# KiCad board k410t-devboard.kicad_pcb (continued)
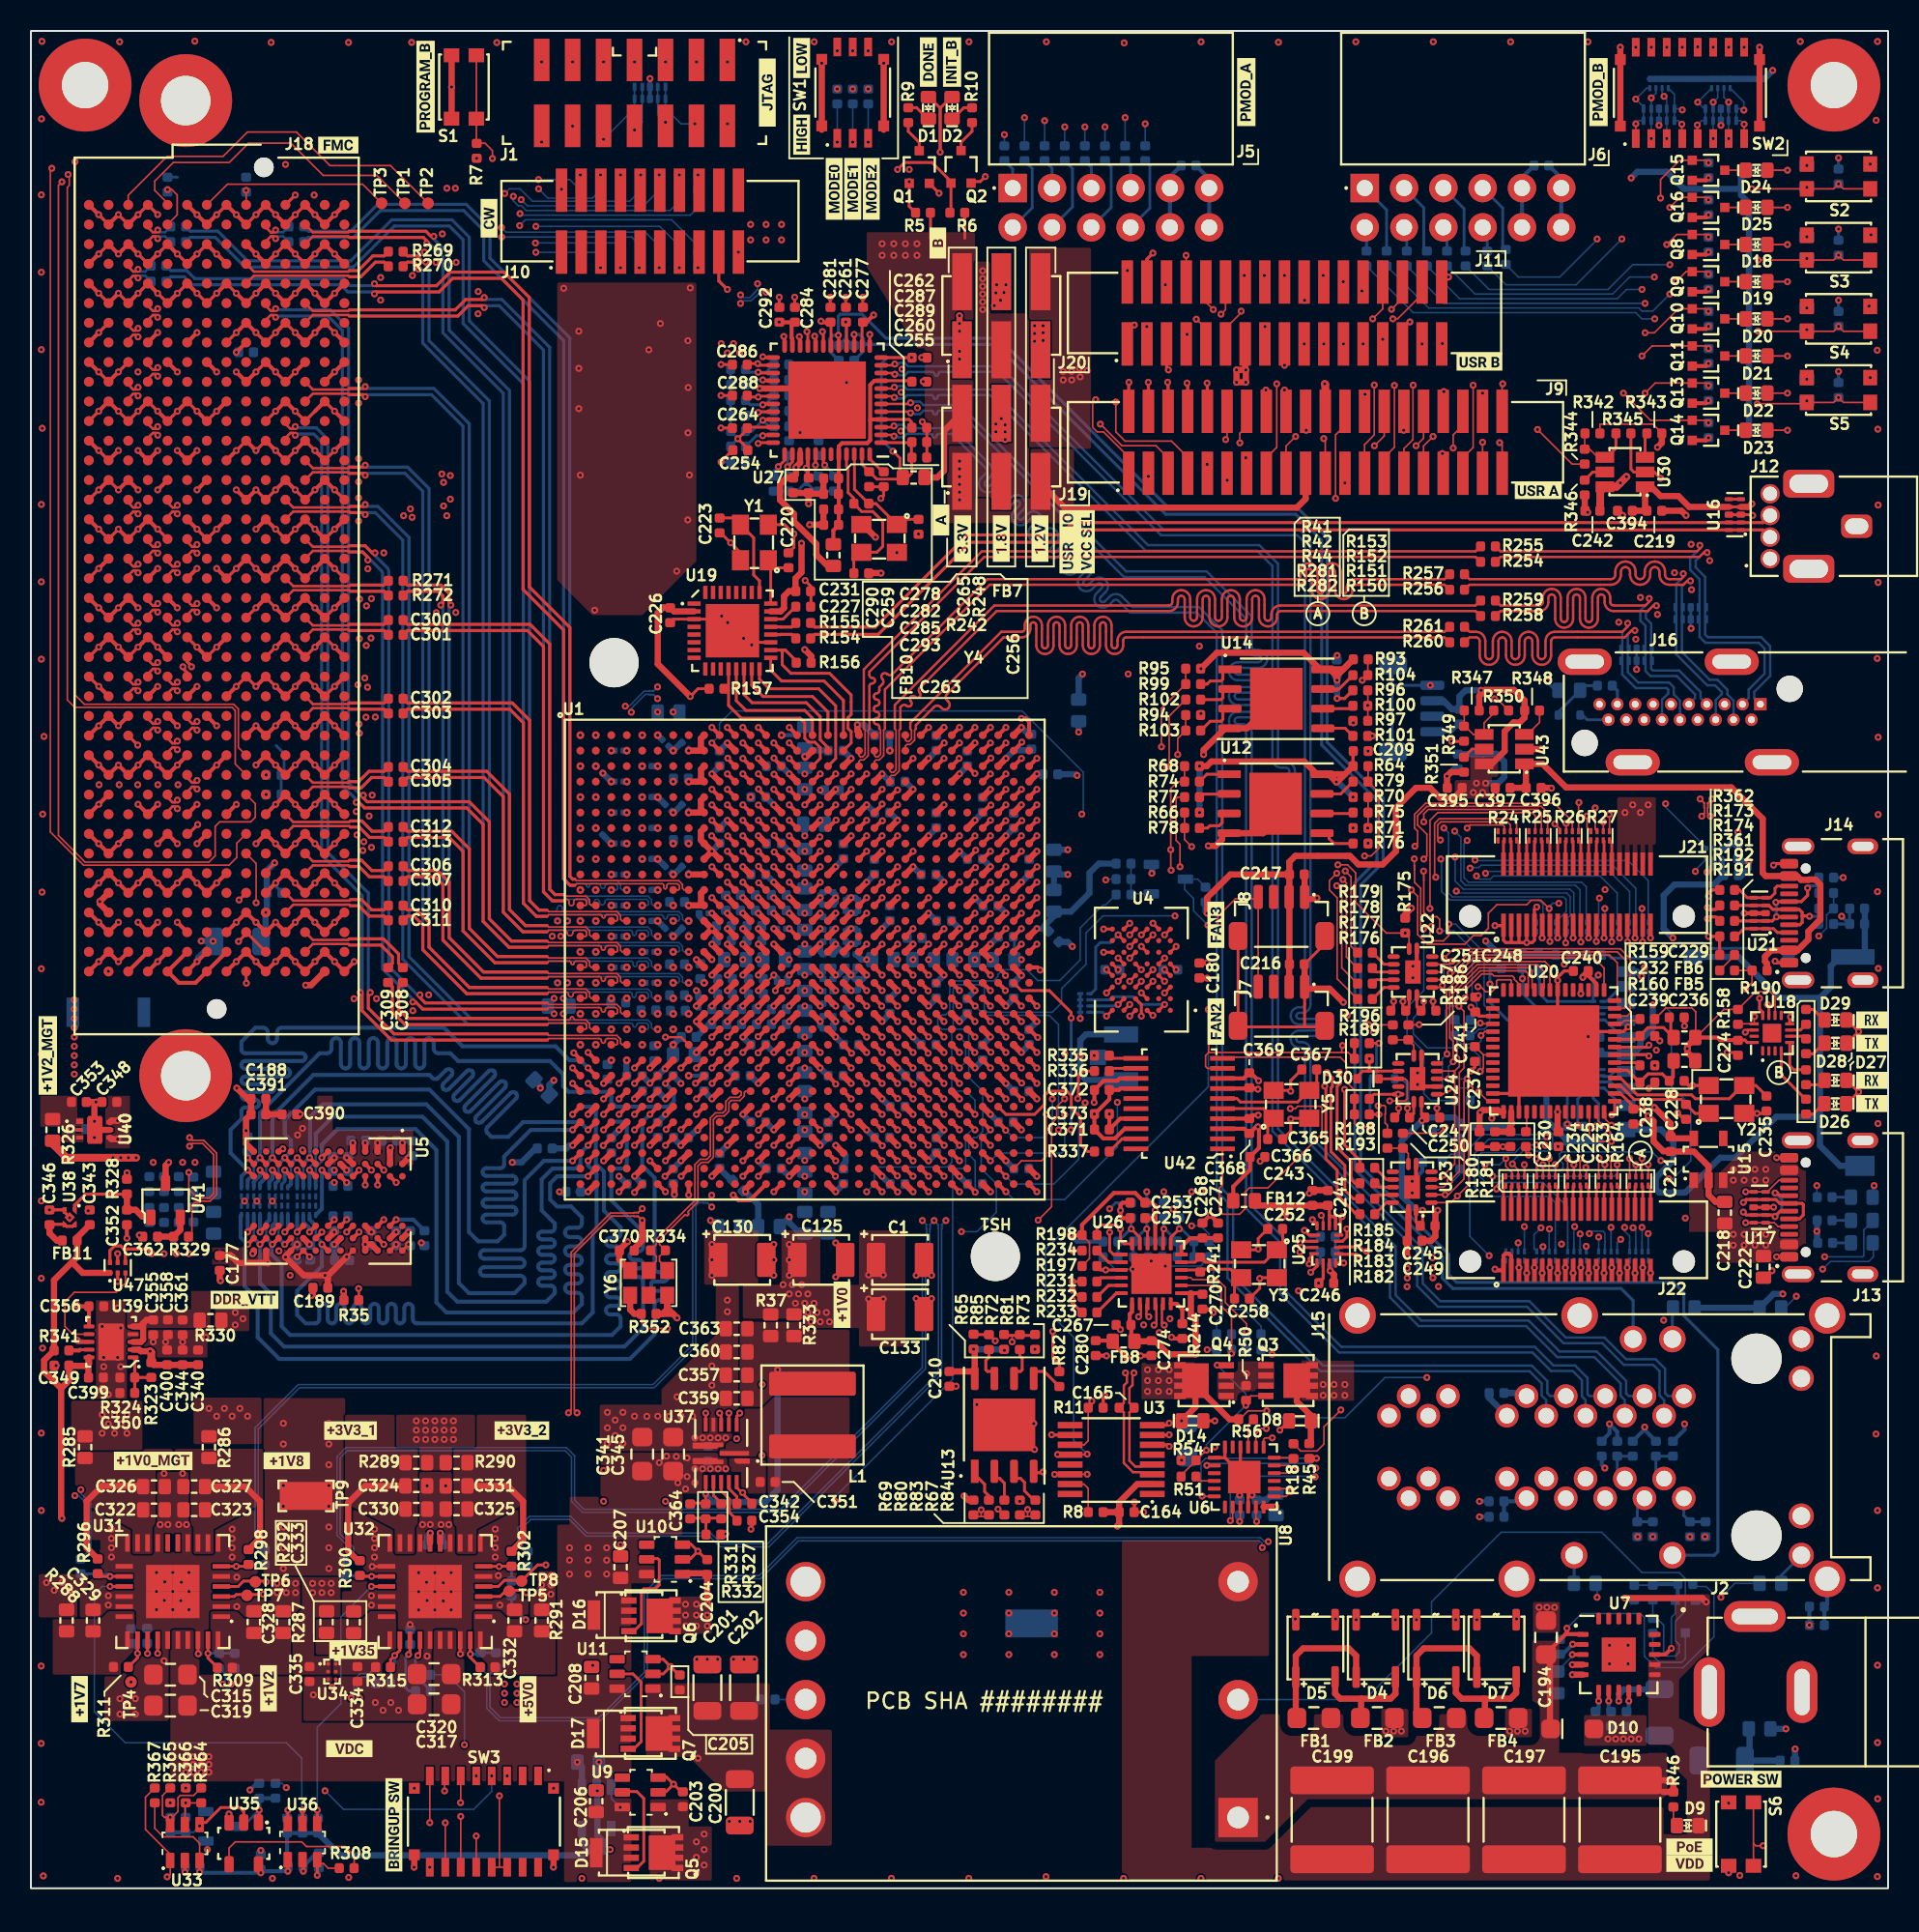
[diagram p0: board, top side]
## Placement (name value [footprint] x y rotation side) (continued)
R238  R_10R_0402  [R_0402_1005Metric]  72.1 43.8 270 bottom
R239  R_10k_0402  [R_0402_1005Metric]  51.89 90.75 90 bottom
R240  R_1k_0402  [R_0402_1005Metric]  47.99 90.75 90 bottom
R241  R_1M_0402  [R_0402_1005Metric]  75.55 40.3 90 top
R242  R_1M_0402  [R_0402_1005Metric]  53.65 89.46 0 top
R243  R_0R_0402  [R_0402_1005Metric]  94.7 24 180 bottom
R244  R_12k_0402  [R_0402_1005Metric]  74.4 36 90 top
R245  R_49R9_0402  [R_0402_1005Metric]  105 28.4 90 bottom
R246  R_10R_0402  [R_0402_1005Metric]  115.4 17 0 bottom
R247  R_49R9_0402  [R_0402_1005Metric]  107.2 23.2 270 bottom
R248  R_12k_0402  [R_0402_1005Metric]  55.1 91.04 90 top
R249  R_49R9_0402  [R_0402_1005Metric]  103.5 28.4 90 bottom
R250  R_49R9_0402  [R_0402_1005Metric]  103.8 23.2 270 bottom
R251  R_220R_0603  [R_0603_1608Metric]  112.4 19.7 180 bottom
R252  R_220R_0603  [R_0603_1608Metric]  112.4 37.5 180 bottom
R253  R_100R_0402  [R_0402_1005Metric]  118 63.3 0 bottom
R254  R_0R_0402  [R_0402_1005Metric]  94.15 85.7 0 top
R255  R_0R_0402  [R_0402_1005Metric]  94.15 86.7 0 top
R256  R_0R_0402  [R_0402_1005Metric]  92.15 83.9 0 top
R257  R_0R_0402  [R_0402_1005Metric]  92.15 84.9 0 top
R258  R_0R_0402  [R_0402_1005Metric]  94.15 82.2 0 top
R259  R_0R_0402  [R_0402_1005Metric]  94.15 83.2 0 top
R260  R_0R_0402  [R_0402_1005Metric]  92.15 80.5 0 top
R261  R_0R_0402  [R_0402_1005Metric]  92.15 81.5 0 top
R262  R_220R_0603  [R_0603_1608Metric]  100.4 19.7 0 bottom
R263  R_220R_0603  [R_0603_1608Metric]  106.8 37.5 0 bottom
R264  R_100k_0402  [R_0402_1005Metric]  8.83 110.07 90 bottom
R265  R_10k_0402  [R_0402_1005Metric]  13.9 99.24 0 bottom
R266  R_10k_0402  [R_0402_1005Metric]  13.91 110.07 90 bottom
R267  R_4k7_0402  [R_0402_1005Metric]  15.69 71.93 180 bottom
R268  R_4k7_0402  [R_0402_1005Metric]  15.69 70.66 0 bottom
R269  R_33R_0402  [R_0402_1005Metric]  23.57 105.74 0 top
R270  R_33R_0402  [R_0402_1005Metric]  23.57 104.79 0 top
R271  R_33R_0402  [R_0402_1005Metric]  23.57 84.48 0 top
R272  R_33R_0402  [R_0402_1005Metric]  23.57 83.52 0 top
R273  R_33R_0402  [R_0402_1005Metric]  8.25 104.83 0 bottom
R274  R_33R_0402  [R_0402_1005Metric]  8.25 103.8 0 bottom
R275  R_33R_0402  [R_0402_1005Metric]  9.52 107.36 0 bottom
R276  R_33R_0402  [R_0402_1005Metric]  9.52 106.36 0 bottom
R277  R_100k_0402  [R_0402_1005Metric]  25.33 12.74 180 bottom
R280  R_0R_0402  [R_0402_1005Metric]  25.33 13.8 180 bottom
R281  R_4x33R_0201_array  [R_Array_4x0201_Panasonic_EXB18V]  101.9 45.7 0 top
R282  R_4x33R_0201_array  [R_Array_4x0201_Panasonic_EXB18V]  103.9 45.7 0 top
R283  R_47k_0402  [R_0402_1005Metric]  15.8 6.3 270 bottom
R284  R_47k_0402  [R_0402_1005Metric]  14.75 6.3 270 bottom
R285  R_0R_22.4A_0603  [R_0603_1608Metric]  3.5 28.5 90 top
R286  R_0R_22.4A_0603  [R_0603_1608Metric]  11.5 28.5 90 top
R287  R_0R_22.4A_0603  [R_0603_1608Metric]  16.3 17.2 90 top
R288  R_0R_22.4A_0603  [R_0603_1608Metric]  2.3 17.3 90 top
R289  R_0R_22.4A_0603  [R_0603_1608Metric]  24.9 27.5 0 top
R290  R_0R_22.4A_0603  [R_0603_1608Metric]  27.5 27.5 180 top
R291  R_0R_22.4A_0603  [R_0603_1608Metric]  33 17.3 90 top
R292  R_0R_22.4A_0603  [R_0603_1608Metric]  19.1 17.2 90 top
R293  R_47k_0402  [R_0402_1005Metric]  10 4.1 270 bottom
R294  R_47k_0402  [R_0402_1005Metric]  9 4.1 270 bottom
R295  R_0R_0402  [R_0402_1005Metric]  31.05 19.37 270 bottom
R296  R_0R_0402  [R_0402_1005Metric]  4.31 20.8 90 top
R297  R_0R_0402  [R_0402_1005Metric]  4.31 20.8 270 bottom
R298  R_0R_0402  [R_0402_1005Metric]  14.06 21.4 90 top
R299  R_0R_0402  [R_0402_1005Metric]  14.06 21.4 270 bottom
R300  R_0R_0402  [R_0402_1005Metric]  21.25 20.69 90 top
R301  R_0R_0402  [R_0402_1005Metric]  20.25 20.69 270 bottom
R302  R_0R_0402  [R_0402_1005Metric]  31.05 21.29 90 top
R303  R_0R_0402  [R_0402_1005Metric]  32.1 21.29 270 bottom
R304  R_0R_0402  [R_0402_1005Metric]  3.21 20.8 90 bottom
R305  R_0R_0402  [R_0402_1005Metric]  15.11 21.4 90 bottom
R306  R_0R_0402  [R_0402_1005Metric]  21.25 20.69 90 bottom
R307  R_0R_0402  [R_0402_1005Metric]  31.05 21.29 90 bottom
R308  R_0R_0402  [R_0402_1005Metric]  20.4 1.3 0 top
R309  R_0R_0402  [R_0402_1005Metric]  12.53 14.25 0 top
R310  R_0R_0402  [R_0402_1005Metric]  12.16 14.7 90 bottom
R311  R_0R_0402  [R_0402_1005Metric]  5.81 14.3 180 top
R312  R_0R_0402  [R_0402_1005Metric]  6.46 16.3 270 bottom
R313  R_0R_0402  [R_0402_1005Metric]  29.5 14.29 0 top
R314  R_0R_0402  [R_0402_1005Metric]  29.05 14.74 90 bottom
R315  R_0R_0402  [R_0402_1005Metric]  22.75 14.29 180 top
R316  R_0R_0402  [R_0402_1005Metric]  22.75 14.29 0 bottom
R317  R_0R_0402  [R_0402_1005Metric]  13.16 14.7 270 bottom
R318  R_47k_0402  [R_0402_1005Metric]  16.55 4.05 270 bottom
R319  R_0R_0402  [R_0402_1005Metric]  30.05 14.74 270 bottom
R320  R_0R_0402  [R_0402_1005Metric]  22.75 13.24 180 bottom
R321  R_47k_0402  [R_0402_1005Metric]  17.55 4.05 270 bottom
R322  R_47k_0402  [R_0402_1005Metric]  18.55 4.05 270 bottom
R323  R_10k_0402  [R_0402_1005Metric]  7.78 33.49 90 top
R324  R_10k_0402  [R_0402_1005Metric]  6.22 33 0 top
R325  R_4k7_0402  [R_0402_1005Metric]  3.06 49.05 180 bottom
R326  R_0R_22.4A_0603  [R_0603_1608Metric]  1.4 49 270 top
R327  R_10k_0402  [R_0402_1005Metric]  44.6 24.35 270 top
R328  R_0R_0402  [R_0402_1005Metric]  6.2 43.35 90 top
R329  R_0R_0402  [R_0402_1005Metric]  9.7 42.1 180 top
R330  R_0R_22.4A_0603  [R_0603_1608Metric]  11.6 36.7 0 top
R331  R_80k6_0402  [R_0402_1005Metric]  43.6 24.35 90 top
R332  R_205k_0402  [R_0402_1005Metric]  44.1 22.85 180 top
R333  R_0R_22.4A_0603  [R_0603_1608Metric]  49.3 36.38 90 top
R334  R_100R_0402  [R_0402_1005Metric]  40.52 41.21 0 top
R335  R_22R_0402  [R_0402_1005Metric]  69.2 53.8 180 top
R336  R_22R_0402  [R_0402_1005Metric]  69.2 52.8 180 top
R337  R_22R_0402  [R_0402_1005Metric]  69.2 47.6 180 top
R338  R_1k_0402  [R_0402_1005Metric]  57.1 61.4 0 bottom
R339  R_80R6_0402_EIA  [R_0402_1005Metric_EIA]  39 52.5 0 bottom
R340  R_80R6_0402_EIA  [R_0402_1005Metric_EIA]  41 52.5 0 bottom
R341  R_100k_0402  [R_0402_1005Metric]  1.97 34.75 180 top
R342  R_0R_0402  [R_0402_1005Metric]  100.9 94 180 top
R343  R_10k_0402  [R_0402_1005Metric]  104.9 94 180 top
R344  R_0R_0402  [R_0402_1005Metric]  100.4 92.5 90 top
R345  R_10k_0402  [R_0402_1005Metric]  102.9 94 0 top
R346  R_12k_0402  [R_0402_1005Metric]  100.4 90.5 90 top
R347  R_0R_0402  [R_0402_1005Metric]  93.1 76.1 180 top
R348  R_10k_0402  [R_0402_1005Metric]  97 76.1 180 top
R349  R_0R_0402  [R_0402_1005Metric]  92.6 74.6 90 top
R350  R_10k_0402  [R_0402_1005Metric]  95 76.1 0 top
R351  R_2k2_0402  [R_0402_1005Metric]  92.6 72.6 270 top
R352  R_10k_0402  [R_0402_1005Metric]  39.91 37.11 180 top
R353  R_100k_0402  [R_0402_1005Metric]  108.4 106.2 270 bottom
R354  R_100k_0402  [R_0402_1005Metric]  108.4 103.8 270 bottom
R355  R_100k_0402  [R_0402_1005Metric]  108.4 101.4 270 bottom
R356  R_100k_0402  [R_0402_1005Metric]  108.4 99 270 bottom
R357  R_100k_0402  [R_0402_1005Metric]  108.4 96.6 270 bottom
R358  R_100k_0402  [R_0402_1005Metric]  108.4 94.2 270 bottom
R359  R_100k_0402  [R_0402_1005Metric]  108.4 111 270 bottom
R360  R_100k_0402  [R_0402_1005Metric]  108.4 108.6 270 bottom
R361  R_5k1_0402  [R_0402_1005Metric]  109.6 61.5 180 top
R362  R_5k1_0402  [R_0402_1005Metric]  109.6 64.5 180 top
R363  R_0R_0402  [R_0402_1005Metric]  26.1 22.2 180 bottom
R364  R_0R_0402  [R_0402_1005Metric]  11 6 90 top
R365  R_0R_0402  [R_0402_1005Metric]  9 6 90 top
R366  R_0R_0402  [R_0402_1005Metric]  10 6 270 top
R367  R_47k_0402  [R_0402_1005Metric]  8 6 270 top
REF1  antmicro-logo_scaled_20mm  [antmicro-logo_scaled_20mm_mask]  37.83 93.33 90 top
S1  -  [SW_KMR211NGLFS_SMD]  27.98 116.38 270 top
S2  -  [SW_KMR211NGLFS_SMD]  116.8 110.6 180 top
S3  -  [SW_KMR211NGLFS_SMD]  116.8 106 180 top
S4  -  [SW_KMR211NGLFS_SMD]  116.8 101.4 180 top
S5  -  [SW_KMR211NGLFS_SMD]  116.8 96.8 180 top
S6  -  [SW_KMR211NGLFS_SMD]  110.5 3.5 90 top
SW1  CVS-03B  [SW_DIP_SPSTx03_Slide_Copal_CVS-03xB_W5.9mm_P1mm]  53.1 115.97 90 top
SW2  SW_CVS-08TB  [SW_DIP_SPSTx08_Slide_Copal_CVS-08xB_W5.9mm_P1mm]  107.2 116 90 top
SW3  SW_CVS-08TB  [SW_DIP_SPSTx08_Slide_Copal_CVS-08xB_W5.9mm_P1mm]  29.27 4.31 270 top
TP1  TP_0.75mm_SMD  [TP_SMD_0.75mm]  24.16 108.87 180 top
TP2  TP_0.75mm_SMD  [TP_SMD_0.75mm]  25.66 108.87 180 top
TP3  TP_0.75mm_SMD  [TP_SMD_0.75mm]  22.66 108.87 180 top
TP4  TP_0.75mm_SMD  [TP_SMD_0.75mm]  6.46 13.32 0 top
TP5  TP_0.75mm_SMD  [TP_SMD_0.75mm]  30.9 19.2 0 top
TP6  TP_0.75mm_SMD  [TP_SMD_0.75mm]  14.5 19.8 0 top
TP7  TP_0.75mm_SMD  [TP_SMD_0.75mm]  13.96 18.93 0 top
TP8  TP_0.75mm_SMD  [TP_SMD_0.75mm]  31.7 19.85 0 top
TP9  -  [TP_1206_SMD_RCW-0C]  17.78 25.35 0 top
TP10  -  [TP_1206_SMD_RCW-0C]  64.66 17.11 180 bottom
U1  XC7K410T-2FFG900I  [BGA-900_31x31mm_Layout30x30_P1x1mm_FFG900]  50 60 0 top
U2  TPD4E05U06QDQARQ1  [USON-10_2.5x1mm_P0.5mm]  40 116 90 bottom
U3  MAX1617AMEE+T  [QSOP-16_3.9x4.9mm_P0.635mm]  69.8 27.7 180 top
U4  AS6C8008-55BIN  [Alliance_TFBGA-48]  71.75 59.35 180 top
U5  MT41K512M8DA  [Micron_FBGA-78]  19.2 44.4 270 top
U6  STUSB4500_QFN  [QFN-24-1EP_4x4mm_P0.5_EP2.1x2.1mm]  78.4 26.57 180 top
U7  TPS2372-3RGWR  [VQFN-20_5x5x1mm_P0.65mm]  102.6 15.1 0 top
U8  ULS-12_8.3-D48N-C  [ULS-12_5-D48N-C]  78 4.57 180 top
U9  LTC4412IS6  [SOT-23-6]  39.43 6.2 90 top
U10  LTC4412IS6  [SOT-23-6]  41 21.25 90 top
U11  LTC4412IS6  [SOT-23-6]  39.09 13.85 90 top
U12  MT25QL256ABA1EW7-0SIT  [WDFN-8-1EP_6x5mm_P1.27mm_EP3.4x4mm]  80.43 70.08 0 top
U13  MT25QL256ABA1EW7-0SIT  [WDFN-8-1EP_6x5mm_P1.27mm_EP3.4x4mm]  62.89 29.94 90 top
U14  MT25QL256ABA1EW7-0SIT  [WDFN-8-1EP_6x5mm_P1.27mm_EP3.4x4mm]  80.47 76.85 0 top
U15  NCP718BSN330T1G  [SOT-23-5]  108.4 47.1 90 top
U16  TPD4E05U06QDQARQ1  [USON-10_2.5x1mm_P0.5mm]  110.1 88.75 180 top
U17  TPD4E05U06QDQARQ1  [USON-10_2.5x1mm_P0.5mm]  111.7 44 180 top
U18  SN74HC595B  [X1QFN-16-1EP_2.5x2.5mm]  112.5 55.25 90 top
U19  MAX3421EETJ+  [QFN-32-1EP_5x5mm]  45.35 81.3 0 top
U20  FT4232H_VQFN  [QFN-56-1EP_8x8mm_P0.5mm]  98.4 54.1 180 top
U21  TPD4E05U06QDQARQ1  [USON-10_2.5x1mm_P0.5mm]  111.7 63 180 top
U22  TXU0304BQAR  [DHVQFN-14-1EP_2.5x3mm]  89.3 59.2 180 top
U23  TXU0304BQAR  [DHVQFN-14-1EP_2.5x3mm]  89.25 45.3 180 top
U24  TXU0304BQAR  [DHVQFN-14-1EP_2.5x3mm]  89.6 52.3 180 top
U25  TUSB1106RSVR  [UQFN-16-1.8x2.6mm_P0.4mm_Texas_RSV0016A]  83.7 41.6 0 top
U26  LAN8720A-CP-TR-ABC  [QFN-24-1EP_4x4mm_P0.5mm_EP2.6x2.6mm]  72.4 39.7 180 top
U27  KSZ9131RNXC  [QFN-48-1EP_7x7x0.9mm_P0.5mm_EP5x5mm]  51.45 96.15 180 top
U28  TPD4E05U06QDQARQ1  [USON-10_2.5x1mm_P0.5mm]  107.25 82.38 90 bottom
U29  TPD4E05U06QDQARQ1  [USON-10_2.5x1mm_P0.5mm]  103.75 79.7 90 bottom
U30  AP22615A_TSOT26  [TSOT23-6]  103 91.5 180 top
U31  MPM54304GMN  [LGA-33_7x7mm_P0.65mm]  9.16 19.18 180 top
U32  MPM54304GMN  [LGA-33_7x7mm_P0.65mm]  26.11 19.18 180 top
U33  MAX16150A_SOT  [SOT-23-6]  9.95 2.9 0 top
U34  NCP451AFCT2G  [Onsemi_WLCSP6_1.40x0.90]  19.45 14 0 top
U35  SN74LVC1G125_SOT  [SOT-753]  13.75 2.9 180 top
U36  LM3880  [SOT-23-6]  17.55 2.95 0 top
U37  MP8869S  [MPS_QFN-14_MP8869S]  44.6 28.1 180 top
U38  TPS7A20185PDQNR  [XDFN4]  2.5 43.35 270 top
U39  NCP51400MNTXG  [DFN-10-1EP_3x3mm]  5.18 35.3 180 top
U40  XC6230H001ER-G  [Torex_USP-6C]  4.12 49 0 top
U41  REF3012AIDBZT  [SOT-23-3]  8.7 44.45 90 top
U42  CDCE906PWR  [TSSOP-20_W4.4mm]  74.2 50.7 90 top
U43  AP22615A_TSOT26  [TSOT23-6]  95.2 73.6 180 top
U44  NCP718BSN330T1G  [SOT-23-5]  36.55 5.2 270 bottom
U45  TPD4E05U06QDQARQ1  [USON-10_2.5x1mm_P0.5mm]  105.2 114.59 270 bottom
U46  TPD4E05U06QDQARQ1  [USON-10_2.5x1mm_P0.5mm]  109.19 114.59 270 bottom
U47  74LVC1T45GM  [SOT-886]  5.6 40.1 0 top
U48  74LVC1T45GM  [SOT-886]  108.75 66.85 180 bottom
Y1  Resonator_12MHz_ABM8G  [Resonator_SMD_Abracon_ABM8G_3.2x2.5mm]  46.7 86.9 90 top
Y2  Resonator_12MHz_ABM8G  [Resonator_SMD_Abracon_ABM8G_3.2x2.5mm]  109.51 51.01 0 top
Y3  Resonator_25MHz_ABM8G  [Resonator_SMD_Abracon_ABM8G_3.2x2.5mm]  79.4 40.3 180 top
Y4  Resonator_25MHz_ABM8G  [Resonator_SMD_Abracon_ABM8G_3.2x2.5mm]  54.85 87.16 180 top
Y5  Resonator_12MHz_ABM8G  [Resonator_SMD_Abracon_ABM8G_3.2x2.5mm]  81.4 50.7 0 top
Y6  Oscillator_200MHz_AX3DC  [Oscillator_SMD_Abracon_AX3_3.2x2.5x1mm]  39.92 39.11 90 top

## Library data of the parts
C1 C125 C130 C133 = -: Description: Tantalum Polymer Capacitor, KO-CAP®, 330 µF, ± 20%, 6.3 V, B, 0.04 ohm, 1411 [3528 Metric]; Author: Antmicro; License: Apache-2.0; MPN: T520B337M006ATE040; Manufacturer: KEMET; Val: 330u; Voltage: 6.3V
C2-C7 C46 C49 C51 C54 C105-C109 C112 C120 C166 C167 C376-C387 = -: Description: SMD Multilayer Ceramic Capacitor, 47 µF, 6.3 V, 0603 [1608 Metric], ± 20%, X5R, GRM Series; Author: Antmicro; License: Apache-2.0; MPN: GRM188R60J476ME15D; Manufacturer: Murata; Val: 47u
C8 C9 C22 C28 C34 C45 C48 C50 C52 C57 C66 C80 C86 C110 C160-C163 = -: Description: SMD Multilayer Ceramic Capacitor, 4.7 µF, 6.3 V, 0201 [0603 Metric], ± 20%, X5R, GRM Series; Author: Antmicro; License: Apache-2.0; MPN: GRM035R60J475ME15D; Manufacturer: Murata; Val: 4u7
C10-C21 C23-C27 C29-C33 C35-C44 C47 C53 C55 C58 C59 C61-C64 C67-C73 C75-C79 C81-C85 C87-C96 C98-C103 C111 C113 C114 C116-C119 C121 C123 C128 C131 C134 C136 C138 C140 C143 C155 C164 C170-C179 C181-C187 C190 C203-C205 C209 C210 C212 C224 C227 C230-C233 C237-C242 C244-C251 C257 C259-C262 C264 C265 C267-C270 C272 C277 C281-C284 C286-C291 C294-C296 C298-C313 C336-C338 C343 C347 C351 C356 C362 C368-C372 C374 C375 C389-C396 C398-C402 = -: Description: SMD Multilayer Ceramic Capacitor, 0.1 µF, 50 V, 0402 [1005 Metric], ± 10%, X5R, GRM Series; Author: Antmicro; Dielectric: X5R; License: Apache-2.0; MPN: GRM155R61H104KE14D; Manufacturer: Murata; Val: 100n; Voltage: 50V
C56 C60 C65 C74 C97 C104 C115 C122 C124 C126 C127 C129 C132 C135 C137 C139 C141 C142 C144-C154 C156-C159 C266 C388 = -: Description: SMD Multilayer Ceramic Capacitor, 0.1 µF, 6.3 V, 0201 [0603 Metric], ± 10%, X6S, CC Series; Author: Antmicro; License: Apache-2.0; MPN: CC0201KRX6S5BB104; Manufacturer: YAGEO; Val: 100n
C165 = -: Description: SMD Multilayer Ceramic Capacitor, 2200 pF, 50 V, 0402 [1005 Metric], ± 5%, X7R, C Series KEMET; Author: Antmicro; License: Apache-2.0; MPN: C0402C222J5RACTU; Manufacturer: KEMET; Val: 2n2
C168 C169 C180 C188 C189 C219 C221 C225 C229 C234 C236 C253-C255 C271 C274 C280 C285 C292 C293 C340 C344 C349 C353 C355 C358 C361 C366 C373 C397 = -: Description: SMD Multilayer Ceramic Capacitor, 10 µF, 6.3 V, 0402 [1005 Metric], ± 20%, X5R, CC Series; Author: Antmicro; License: Apache-2.0; MPN: CC0402MRX5R5BB106; Manufacturer: YAGEO; Val: 10u
C191 C206-C208 C314 = -: Description: SMD Multilayer Ceramic Capacitor, 1 µF, 25 V, 0603 [1608 Metric], ± 10%, X5R, CL; Author: Antmicro; License: Apache-2.0; MPN: CL10A105KA8NNNC; Manufacturer: Samsung Electro-Mechanics; Val: 1u; Voltage: 25V
C192 C193 C211 C214-C217 C226 C243 C316 C318 C321 C346 C348 C352 = -: Description: SMD Multilayer Ceramic Capacitor, 1 µF, 10 V, 0402 [1005 Metric], ± 10%, X6S, C; Author: Antmicro; License: Apache-2.0; MPN: C1005X6S1A105K050BC; Manufacturer: TDK; Val: 1u
C194 C198 = -: Description: SMT Multilayer Ceramic Capacitor, 0.1 µF, 100 V, 0805 [2012 Metric], ± 10%, X7R, CL; Author: Antmicro; Dielectric: X7R; License: Apache-2.0; MPN: CL21B104KCFNNNE; Manufacturer: Samsung Electro-Mechanics; Val: 100n; Voltage: 100V
C195-C197 C199 = -: Description: SMT Multilayer Ceramic Capacitor, 22 µF, 100 V, 2220 [5750 Metric], ± 20%, X7S, C; Author: Antmicro; Dielectric: X7S; License: Apache-2.0; MPN: C5750X7S2A226M280KB; Manufacturer: TDK; Val: 22u; Voltage: 100V
C200-C202 C297 = -: Description: SMD Multilayer Ceramic Capacitor, 47 µF, 16 V, 1206 [3216 Metric], ± 20%, X5R, C; Author: Antmicro; Dielectric: X5R; License: Apache-2.0; MPN: C3216X5R1C476M160AB; Manufacturer: TDK; Val: 47u; Voltage: 16V
C213 C334 C335 = -: Description: SMD Multilayer Ceramic Capacitor, 1 µF, 10 V, 0402 [1005 Metric], ± 10%, X6S, C; Author: Antmicro; DNP: DNP; License: Apache-2.0; MPN: C1005X6S1A105K050BC; Manufacturer: TDK; Val: 1u
C218 C222 = -: Description: SMD Multilayer Ceramic Capacitor, 10 µF, 25 V, 0603 [1608 Metric], ± 20%, X5R, C; Author: Antmicro; License: Apache-2.0; MPN: C1608X5R1E106M080AC; Manufacturer: TDK; Val: 10u; Voltage: 25V
C220 C223 C228 C235 C252 C256 C258 C263 C364 C365 C367 = -: Description: SMD Multilayer Ceramic Capacitor, 22 pF, 50 V, 0402 [1005 Metric], ± 5%, C0G / NP0, CC Series; Author: Antmicro; License: Apache-2.0; MPN: CC0402JRNPO9BN220; Manufacturer: YAGEO; Val: 22p
C273 C275 C276 C279 = -: Description: SMD Multilayer Ceramic Capacitor, 10 pF, 50 V, 0402 [1005 Metric], ± 2%, C0G / NP0, GCM; Author: Antmicro; Dielectric: C0G; License: Apache-2.0; MPN: GCM1555C1H100GA16D; Manufacturer: Murata; Val: 10p; Voltage: 50V
C278 C354 = -: Description: SMD Multilayer Ceramic Capacitors, 0.022 µF, 50 V, 20%, 0402 [1005 Metric], X7R; Author: Antmicro; License: Apache-2.0; MPN: GCM155R71H223MA55D; Manufacturer: Murata; Val: 22n
C315 C317 C319 C320 C341 C345 = -: Description: SMT Multilayer Ceramic Capacitor, 22uF, +/-20%, 25V, X5R, 0805 [2012 Metric]; Author: Antmicro; Dielectric: X5R; License: Apache-2.0; MPN: CL21A226MAYNNNE; Manufacturer: Samsung Electro-Mechanics; Val: 22u; Voltage: 25V
C322-C333 C357 C359 C360 C363 = -: Description: SMD Multilayer Ceramic Capacitor, 22 µF, 6.3 V, 0603 [1608 Metric], ± 20%, X5R, GRM Series; Author: Antmicro; License: Apache-2.0; MPN: GRM188R60J226MEA0D; Manufacturer: Murata; Val: 22u
C339 = -: Description: SMD Multilayer Ceramic Capacitor, 0.1 µF, 50 V, 0402 [1005 Metric], ± 10%, X5R, GRM Series; Author: Antmicro; DNP: DNP; Dielectric: X5R; License: Apache-2.0; MPN: GRM155R61H104KE14D; Manufacturer: Murata; Val: 100n; Voltage: 50V
C342 = -: Description: SMD Multilayer Ceramic Capacitor, 0.47 µF, 25 V, 0402 [1005 Metric], ± 20%, X5R, C; Author: Antmicro; License: Apache-2.0; MPN: C1005X5R1E474M050BB; Manufacturer: TDK; Val: 470n
C350 = -: Description: SMD Multilayer Ceramic Capacitor, 1000 pF, 50 V, 0402 [1005 Metric], ± 5%, C0G / NP0, GRM Series; Author: Antmicro; Dielectric: C0G; License: Apache-2.0; MPN: GRM1555C1H102JA01D; Manufacturer: Murata; Val: 1n; Voltage: 50V
D1 D2 D12 D18-D23 D26-D29 = -: Description: LED, Green, SMD, 0603, 20 mA, 2.1 V, 570 nm; Author: Antmicro; Color: Green; License: Apache-2.0; MPN: KP-1608CGCK; Manufacturer: Kingbright
D3 D8 D14 D34-D37 = -: Description: Unidirectional TVS, 30 kV, QFN-2L, 22 V, 195 pF; Author: Antmicro; License: Apache-2.0; Manufacturer: STMicroelectronics; Public: False
D4 D5 = -: Description: TVS diode; Author: Antmicro; License: Apache-2.0; Manufacturer: Bourns
D6 D7 = -: Description: TVS diode; Author: Antmicro; DNP: DNP; License: Apache-2.0; Manufacturer: Bourns
D9 D13 D24 = -: Description: LED, Red, SMD, 0603, 30 mA, 2 V, 617 nm; Author: Antmicro; Color: Red; License: Apache-2.0; MPN: KP-1608EC; Manufacturer: Kingbright; Public: False
D10 = -: Description: Unidirectional TVS, 8 kV,  SOD-123F, 58 V; Author: Antmicro; License: Apache-2.0; Manufacturer: Nexperia; Public: False
D11 D25 = -: Description: LED, Blue, SMD, 0603, 20 mA, 3.3 V, 465 nm; Author: Antmicro; Color: Blue; License: Apache-2.0; MPN: KP-1608QBC-D; Manufacturer: Kingbright; Public: False
D15-D17 D32 = -: Description: Schottky Rectifier, 30 V, 5 A, Single, SOD-128, 2 Pins, 360 mV; Author: Antmicro; DNP: DNP; License: Apache-2.0; Manufacturer: Nexperia
D30 D31 D38 = -: Description: Small Signal Schottky Diode, Single, 30 V, 200 mA, 800 mV, 600 mA, 125 °C; Author: Antmicro; License: Apache-2.0; Manufacturer: Vishay; Public: False
D33 = -: Description: Zener Single Diode, 5.1 V, 350 mW, SOT-23, 3 Pins, 150 °C, Surface Mount; Author: Antmicro; License: Apache-2.0; Manufacturer: Micro Commercial Components
F1 = -: Description: Fuse, Surface Mount, 10 A, Slow Blow, 32 VAC, 63 VDC, 1206 (3216 Metric), UST 1206; Author: Antmicro; License: Apache-2.0; MPN: 3413.0328.22; Manufacturer: Schurter
FB1 FB2 = -: Description: Ferrite Bead, 0805 [2012 Metric], 220 ohm, 2 A, BLM21, 0.045 ohm, ± 25%, DC power line; Author: Antmicro; License: Apache-2.0; MPN: BLM21PG221SN1D; Manufacturer: Murata; Val: 220Z/2A
FB3 FB4 = -: Description: Ferrite Bead, 0805 [2012 Metric], 220 ohm, 2 A, BLM21, 0.045 ohm, ± 25%, DC power line; Author: Antmicro; DNP: DNP; License: Apache-2.0; MPN: BLM21PG221SN1D; Manufacturer: Murata; Val: 220Z/2A
FB5 FB6 = -: Description: Ferrite Bead, 0603 [1608 Metric], 600 ohm, 500 mA, BLM18A, 0.38 ohm, ± 25%, General use; Author: Antmicro; License: Apache-2.0; MPN: BLM18AG601SN1D; Manufacturer: Murata; Val: 600Z/0.5A
FB7-FB10 FB12 = -: Description: Ferrite Bead, 0603 [1608 Metric], 120 ohm, 2 A, BLM18P, 0.05 ohm, ± 25%, DC power line; Author: Antmicro; License: Apache-2.0; MPN: BLM18PG121SN1D; Manufacturer: Murata; Val: 120Z/2A
FB11 = -: Description: Ferrite Bead, 0402 [1005 Metric], 120 ohm, 1.3 A, BLM15PD, 0.09 ohm, ± 25%, DC power line; Author: Antmicro; License: Apache-2.0; MPN: BLM15PD121SN1D; Manufacturer: Murata; Val: 120Z/1.3A
HS1 = -: Description: Heat Sink BGA Aluminum Top Mount; Author: Antmicro; DNP: DNP; License: Apache-2.0; MPN: 960-31-18-S-AB-0; Manufacturer: Wakefield-Vette
J1 = -: Author: Antmicro; License: Apache-2.0; MPN: 878321412; Manufacturer: Molex
J2 = -: Description: DC Power Connector, Jack, 4 A, 1.95 mm, PCB Mount, Through Hole; Author: Antmicro; License: Apache-2.0; MPN: MJ-179PH; Manufacturer: Multicomp Pro
J3 = -: Description: U.FL (UMCC) Connector Receptacle, Male Pin 50Ohm Surface Mount Solder; Author: Antmicro; License: Apache-2.0; MPN: U.FL-R-SMT-1(10); Manufacturer: Hirose Electric
J4 J7 J8 = -: Description: Pin Header, Top Entry, Wire-to-Board, 1 mm, 1 Rows, 4 Contacts, Surface Mount, SR; Author: Antmicro; License: Apache-2.0; MPN: BM04B-SRSS-TB(LF)(SN); Manufacturer: JST Automotive Connectors
J5 J6 = -: Description: PCB Receptacle, Board-to-Board, 2.54 mm, 2 Rows, 12 Contacts, Through Hole Mount Right Angle, SSW; Author: Antmicro; License: Apache-2.0; MPN: SSW-106-02-G-D-RA; Manufacturer: Samtec
J9 = -: Description: Pin Header, Wire-to-Board, 1.27 mm, 2 Rows, 40 Contacts, Surface Mount Straight, WR-BHD Series; Author: Antmicro; License: Apache-2.0; MPN: 62704020621; Manufacturer: Würth Elektronik
J10 = -: Description: Pin Header, Wire-to-Board, 1.27 mm, 2 Rows, 20 Contacts, Surface Mount Straight, WR-BHD; Author: Antmicro; License: Apache-2.0; MPN: 62732020621; Manufacturer: Würth Elektronik
J11 = -: Description: Pin Header, Wire-to-Board, 1.27 mm, 2 Rows, 34 Contacts, Surface Mount Straight, WR-BHD Series; Author: Antmicro; License: Apache-2.0; MPN: 62703420621; Manufacturer: Würth Elektronik
J12 = -: Description: USB-A (USB TYPE-A) USB 2.0 Receptacle Connector 4 Position Through Hole, Right Angle; Author: Antmicro; License: Apache-2.0; MPN: 614004184726; Manufacturer: Würth Elektronik
J13 J14 = -: Description: USB-C (USB TYPE-C) USB 2.0 Receptacle Connector 24 (16+8 Dummy) Position Surface Mount, Right Angle; Author: Antmicro; License: Apache-2.0; MPN: USB4105-GF-A; Manufacturer: GCT; VSD_Class: USB-C
J15 = -: Description: Modular connector with magnetics; Author: Antmicro; License: Apache-2.0; Manufacturer: Bel Fuse
J16 = -: Description: HDMI Receptacle Connector 19 Position Panel Mount, Through Hole, Right Angle; Author: Antmicro; License: Apache-2.0; MPN: 2007435-1; Manufacturer: TE Connectivity
J18 = -: Description: Mezzanine Connector, Array, Female, 1.27 mm, 14 Rows, 560 Contacts, Surface Mount; Author: Antmicro; License: Apache-2.0; MPN: ASP-184329-01; Manufacturer: Samtec
J19 J20 = -: Author: Antmicro; License: Apache-2.0; MPN: 15910060; Manufacturer: Molex
J21 J22 = -: Description: Board to Board & Mezzanine Connectors 0.50 mm Edge Rate Rugged High Speed Socket; Author: Antmicro; License: Apache-2.0; MPN: ERF5-020-05.0-L-DV-K-TR; Manufacturer: Samtec; Pitch: 0.5 mm
J23 = -: Description: Memory Card Connector, MicroSD, Push-Push, 8 Contacts, Copper Alloy, Gold Plated Contacts, DM3; Author: Antmicro; License: Apache-2.0; Manufacturer: Hirose Electric
L1 = -: Description: Power Inductor (SMT), 1.5 µH, 17 A, Shielded, 19.5 A, SRP6050CA; Author: Antmicro; IMax: 17 A; ISat: 19.5 A; License: Apache-2.0; MPN: SRP6050CA-1R5M; Manufacturer: Bourns; Size: 6.6x6.6; Val: 1u5/17A
MH2-MH4 = -: Description: Mechanical part; Author: Antmicro; License: Apache-2.0
NT1-NT39 = -: Description: Net tie, 2 pins; Author: Antmicro; License: Apache-2.0
Q1 Q2 Q8-Q11 Q13-Q18 = -: Description: Power MOSFET, N Channel, 60 V, 320 mA, 0.9 ohm, SOT-323, Surface Mount; Author: Antmicro; License: Apache-2.0; Manufacturer: Nexperia
Q3-Q7 = -: Description: Power MOSFET, P Channel, 20 V, 35 A, 0.0072 ohm, PowerPAK 1212, Surface Mount; Author: Antmicro; License: Apache-2.0; Manufacturer: Vishay
Q12 = -: Description: Power MOSFET, N Channel, 30 V, 5 A, 0.022 ohm, SOT-23, Surface Mount; Author: Antmicro; License: Apache-2.0; Manufacturer: Infineon
R1 R32 R54 R98 R112-R127 R134-R139 R142-R147 R253 R334 = -: Description: SMD Chip Resistor, 100 ohm, ± 1%, 62.5 mW, 0402 [1005 Metric], Thick Film, General Purpose; Author: Antmicro; License: Apache-2.0; MPN: CR0402-FX-1000GLF; Manufacturer: Bourns; Tolerance: 1%; Val: 100R
R2-R4 R201-R203 R207 R222-R224 = -: Description: SMD Chip Resistor, 10 kohm, ± 1%, 62.5 mW, 0402 [1005 Metric], Thick Film, General Purpose; Author: Antmicro; DNP: DNP; License: Apache-2.0; MPN: CR0402-FX-1002GLF; Manufacturer: Bourns; Tolerance: 1%; Val: 10k
R5-R8 R11 R34 R64-R69 R86-R95 R140 R141 R148 R149 R156-R159 R167 R190-R192 R194 R195 R197 R199 R200 R204-R206 R208 R219-R221 R239 R265 R266 R323 R324 R327 R343 R345 R348 R350 R352 = -: Description: SMD Chip Resistor, 10 kohm, ± 1%, 62.5 mW, 0402 [1005 Metric], Thick Film, General Purpose; Author: Antmicro; License: Apache-2.0; MPN: CR0402-FX-1002GLF; Manufacturer: Bourns; Tolerance: 1%; Val: 10k
R9 R10 R150-R153 = -: Description: SMD Chip Resistor, 330 ohm, ± 1%, 62.5 mW, 0402 [1005 Metric], Thick Film, General Purpose; Author: Antmicro; License: Apache-2.0; MPN: CR0402-FX-3300GLF; Manufacturer: Bourns; Tolerance: 1%; Val: 330R
R12-R17 = -: Description: Fixed Network Resistor, 39 ohm, Isolated, 4 Resistors, 0502 [1406 Metric], Flat, ± 5%; Author: Antmicro; License: Apache-2.0; MPN: EXB-18V390JX; Manufacturer: Panasonic; Val: 4x39R_0201
R18 R19 R49 R60 R62 R74-R85 R99-R105 R165 R180 R186 R188 R189 R243 R254-R261 R280 R296 R298 R300 R302 R308 R309 R311 R313 R315 R328 R329 R344 R349 = -: Description: SMD Chip Resistor, Jumper, 0 ohm, 100 mW, 0402 [1005 Metric], Thick Film, General Purpose; Author: Antmicro; Current: 1A; License: Apache-2.0; MPN: ERJ2GE0R00X; Manufacturer: Panasonic; Val: 0R
R20-R31 R33 R41 R42 R44 R61 R63 R281 R282 = -: Description: Fixed Network Resistor, 33 ohm, Isolated, 4 Resistors, 0502 [1406 Metric], Flat, ± 5%; Author: Antmicro; License: Apache-2.0; MPN: EXB-18V330JX; Manufacturer: Panasonic; Val: R_4x33R_0201
R35 = -: Description: SMD Chip Resistor, 240 ohm, ± 1%, 63 mW, 0402 [1005 Metric], Thick Film, General Purpose; Author: Antmicro; License: Apache-2.0; MPN: CR0402-FX-2400GLF; Manufacturer: Bourns; Tolerance: 1%; Val: 240R